# EAGLE board Mk4 Final Panel (EAGLE 9.0.1), part 6 of 18
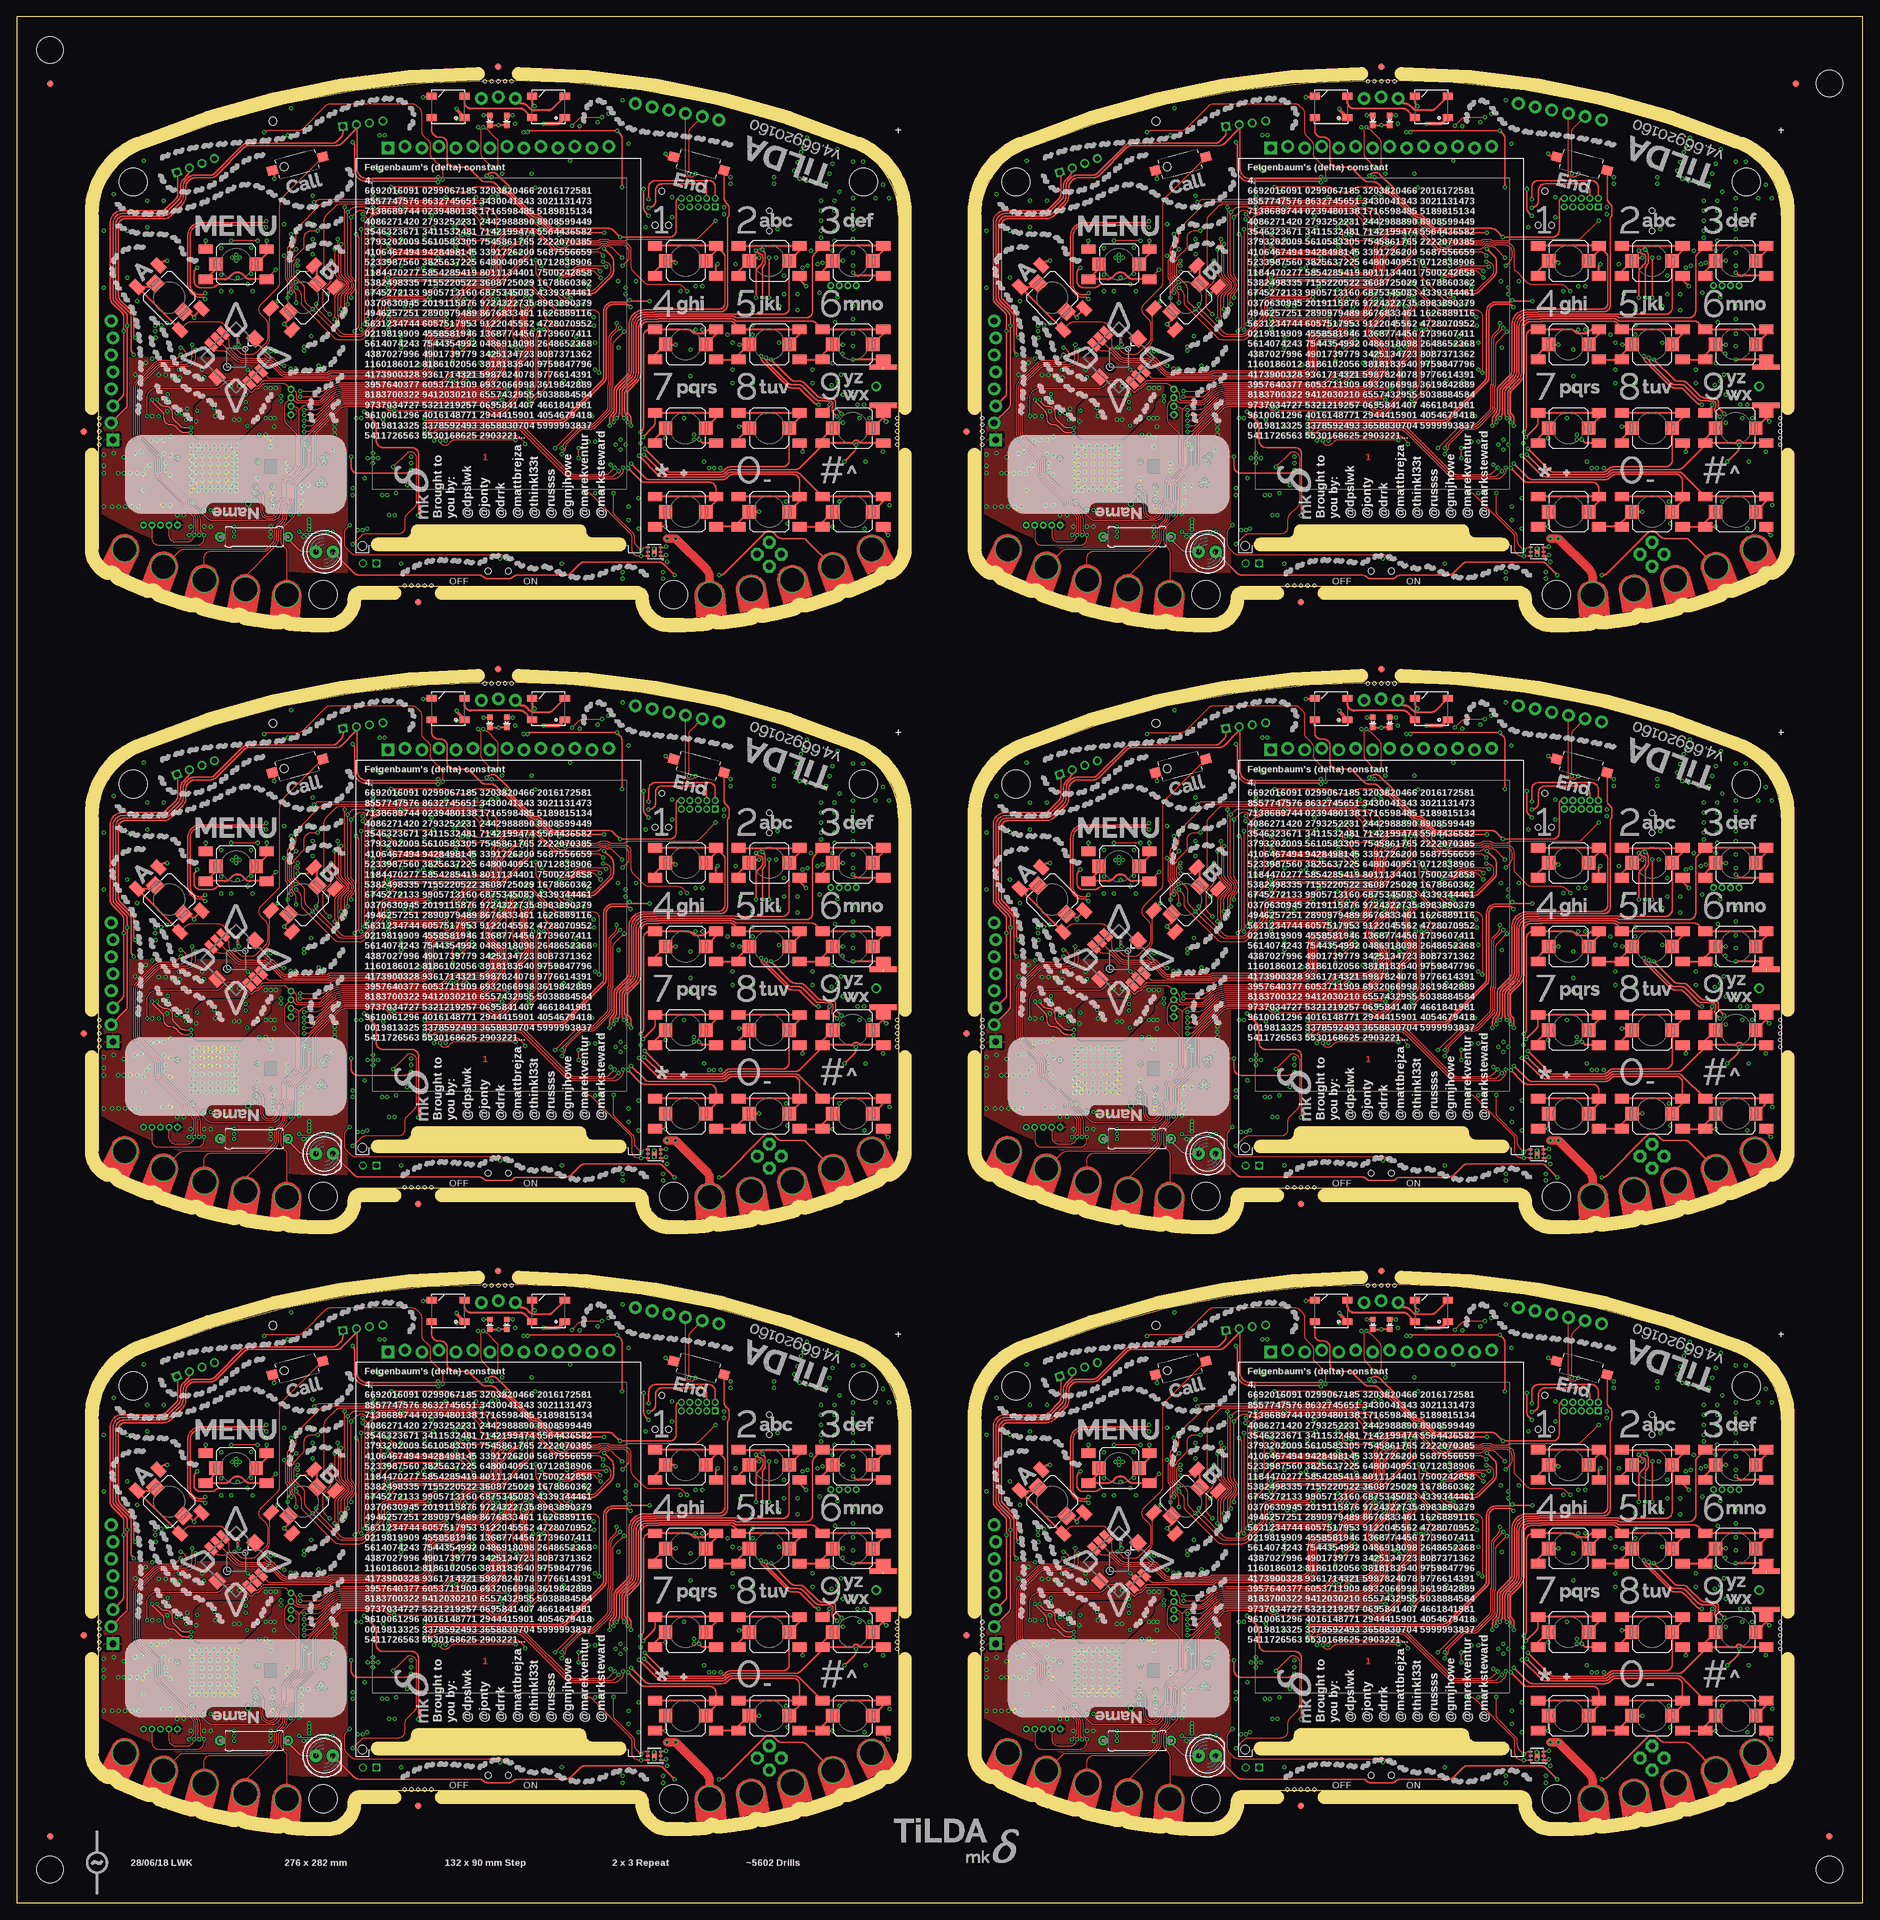
[diagram p0: board, top side]
## Tracks (layer width: path | path; a pad name or v marks a point on that pad's centre or on a via) (continued)
AMP_IN_P5 (continued)
  Bottom 0.2: R447.2 R465.2 165.45,253.5 | J57.3 170.76,261.04 arc45 170.05,260.75 J57.2 168.11,258.8 167.8,258.8 165.74,256.74 arc45 165.45,256.04 165.45,253.5 | R468.2 165.45,253.5
AMP_IN_R1_N
  Bottom 0.15: C106.1 R78.1
AMP_IN_R1_N1
  Bottom 0.15: C214.1 R154.1
AMP_IN_R1_N2
  Bottom 0.15: C322.1 R232.1
AMP_IN_R1_N3
  Bottom 0.15: C430.1 R310.1
AMP_IN_R1_N4
  Bottom 0.15: C538.1 R388.1
AMP_IN_R1_N5
  Bottom 0.15: C646.1 R466.1
AMP_IN_R1_P
  Bottom 0.15: C105.1 R77.1
AMP_IN_R1_P1
  Bottom 0.15: C213.1 R153.1
AMP_IN_R1_P2
  Bottom 0.15: C321.1 R231.1
AMP_IN_R1_P3
  Bottom 0.15: C429.1 R309.1
AMP_IN_R1_P4
  Bottom 0.15: C537.1 R387.1
AMP_IN_R1_P5
  Bottom 0.15: C645.1 R465.1
AMP_IN_R_N
  Bottom 0.2: R58.1 C82.1
AMP_IN_R_N1
  Bottom 0.2: R136.1 C183.1
AMP_IN_R_N2
  Bottom 0.2: R214.1 C291.1
AMP_IN_R_N3
  Bottom 0.2: R292.1 C399.1
AMP_IN_R_N4
  Bottom 0.2: R370.1 C507.1
AMP_IN_R_N5
  Bottom 0.2: R448.1 C615.1
AMP_IN_R_P
  Bottom 0.2: R57.1 C83.1
AMP_IN_R_P1
  Bottom 0.2: R135.1 C184.1
AMP_IN_R_P2
  Bottom 0.2: R213.1 C292.1
AMP_IN_R_P3
  Bottom 0.2: R291.1 C400.1
AMP_IN_R_P4
  Bottom 0.2: R369.1 C508.1
AMP_IN_R_P5
  Bottom 0.2: R447.1 C616.1
AMP_IN_TRS_P
  Bottom 0.2: J9.5 44.71,79.83 arc45 45,80.54 45,81.35 arc90 44,82.35 42.51,82.35 arc45 41.81,82.06 41.54,81.79 arc-45 40.84,81.5 36.08,81.5 J9.6 35.32,81.41 arc45 34.62,81.12 34.29,80.79 arc45 34,80.09 34,78.01 arc-45 33.71,77.31 32.79,76.39 arc45 32.5,75.69 R75.1 32.5,69.66 arc45 32.79,68.96 32.83,68.92 arc-45 33.12,68.21 IC13.3
AMP_IN_TRS_P1
  Bottom 0.2: J17.5 176.71,79.83 arc45 177,80.54 177,81.35 arc90 176,82.35 174.51,82.35 arc45 173.81,82.06 173.54,81.79 arc-45 172.84,81.5 168.08,81.5 J17.6 167.32,81.41 arc45 166.62,81.12 166.29,80.79 arc45 166,80.09 166,78.01 arc-45 165.71,77.31 164.79,76.39 arc45 164.5,75.69 R156.1 164.5,69.66 arc45 164.79,68.96 164.83,68.92 arc-45 165.12,68.21 IC28.3
AMP_IN_TRS_P2
  Bottom 0.2: J27.5 44.71,169.83 arc45 45,170.54 45,171.35 arc90 44,172.35 42.51,172.35 arc45 41.81,172.06 41.54,171.79 arc-45 40.84,171.5 36.08,171.5 J27.6 35.32,171.41 arc45 34.62,171.12 34.29,170.79 arc45 34,170.09 34,168.01 arc-45 33.71,167.31 32.79,166.39 arc45 32.5,165.69 R234.1 32.5,159.66 arc45 32.79,158.96 32.83,158.92 arc-45 33.12,158.21 IC46.3
AMP_IN_TRS_P3
  Bottom 0.2: J37.5 176.71,169.83 arc45 177,170.54 177,171.35 arc90 176,172.35 174.51,172.35 arc45 173.81,172.06 173.54,171.79 arc-45 172.84,171.5 168.08,171.5 J37.6 167.32,171.41 arc45 166.62,171.12 166.29,170.79 arc45 166,170.09 166,168.01 arc-45 165.71,167.31 164.79,166.39 arc45 164.5,165.69 R312.1 164.5,159.66 arc45 164.79,158.96 164.83,158.92 arc-45 165.12,158.21 IC64.3
AMP_IN_TRS_P4
  Bottom 0.2: J47.5 44.71,259.83 arc45 45,260.54 45,261.35 arc90 44,262.35 42.51,262.35 arc45 41.81,262.06 41.54,261.79 arc-45 40.84,261.5 36.08,261.5 J47.6 35.32,261.41 arc45 34.62,261.12 34.29,260.79 arc45 34,260.09 34,258.01 arc-45 33.71,257.31 32.79,256.39 arc45 32.5,255.69 R390.1 32.5,249.66 arc45 32.79,248.96 32.83,248.92 arc-45 33.12,248.21 IC82.3
AMP_IN_TRS_P5
  Bottom 0.2: J57.5 176.71,259.83 arc45 177,260.54 177,261.35 arc90 176,262.35 174.51,262.35 arc45 173.81,262.06 173.54,261.79 arc-45 172.84,261.5 168.08,261.5 J57.6 167.32,261.41 arc45 166.62,261.12 166.29,260.79 arc45 166,260.09 166,258.01 arc-45 165.71,257.31 164.79,256.39 arc45 164.5,255.69 R468.1 164.5,249.66 arc45 164.79,248.96 164.83,248.92 arc-45 165.12,248.21 IC100.3
BQ_!CE
  Bottom 0.15: R17.1 IC8.9
BQ_!CE1
  Bottom 0.15: R99.1 IC24.9
BQ_!CE2
  Bottom 0.15: R177.1 IC42.9
BQ_!CE3
  Bottom 0.15: R255.1 IC60.9
BQ_!CE4
  Bottom 0.15: R333.1 IC78.9
BQ_!CE5
  Bottom 0.15: R411.1 IC96.9
BQ_!INT  (via drill 0.3)
  Top 0.15: v73,59.2 73,58.66 arc-45 72.85,58.31 70.58,56.04 arc90 70.58,53.92 72.08,52.42 arc-45 72.3,51.89 72.3,51.53 arc-45 72.15,51.18 71.95,50.97 arc45 71.8,50.62 71.8,50.33 arc-45 71.29,49.09 70.81,48.61 arc-45 69.58,48.1 67.41,48.1 arc45 66.71,47.81 66.05,47.15 arc-90 65.35,47.15 v64.9,47.6
  Bottom 0.15: v73,59.2 IC1.14 | IC8.7 63.9,37.25 arc90 64.9,38.25 v64.9,47.6
BQ_!INT1  (via drill 0.3)
  Top 0.15: v205,59.2 205,58.66 arc-45 204.85,58.31 202.58,56.04 arc90 202.58,53.92 204.08,52.42 arc-45 204.3,51.89 204.3,51.53 arc-45 204.15,51.18 203.95,50.97 arc45 203.8,50.62 203.8,50.33 arc-45 203.29,49.09 202.81,48.61 arc-45 201.57,48.1 199.41,48.1 arc45 198.71,47.81 198.05,47.15 arc-90 197.35,47.15 v196.9,47.6
  Bottom 0.15: v205,59.2 IC20.14 | IC24.7 195.9,37.25 arc90 196.9,38.25 v196.9,47.6
BQ_!INT2  (via drill 0.3)
  Top 0.15: v73,149.2 73,148.66 arc-45 72.85,148.31 70.58,146.04 arc90 70.58,143.92 72.08,142.42 arc-45 72.3,141.89 72.3,141.53 arc-45 72.15,141.18 71.95,140.97 arc45 71.8,140.62 71.8,140.32 arc-45 71.29,139.09 70.81,138.61 arc-45 69.58,138.1 67.41,138.1 arc45 66.71,137.81 66.05,137.15 arc-90 65.35,137.15 v64.9,137.6
  Bottom 0.15: v73,149.2 IC38.14 | IC42.7 63.9,127.25 arc90 64.9,128.25 v64.9,137.6
BQ_!INT3  (via drill 0.3)
  Top 0.15: v205,149.2 205,148.66 arc-45 204.85,148.31 202.58,146.04 arc90 202.58,143.92 204.08,142.42 arc-45 204.3,141.89 204.3,141.53 arc-45 204.15,141.18 203.95,140.97 arc45 203.8,140.62 203.8,140.32 arc-45 203.29,139.09 202.81,138.61 arc-45 201.57,138.1 199.41,138.1 arc45 198.71,137.81 198.05,137.15 arc-90 197.35,137.15 v196.9,137.6
  Bottom 0.15: v205,149.2 IC56.14 | IC60.7 195.9,127.25 arc90 196.9,128.25 v196.9,137.6
BQ_!INT4  (via drill 0.3)
  Top 0.15: v73,239.2 73,238.66 arc-45 72.85,238.31 70.58,236.04 arc90 70.58,233.92 72.08,232.42 arc-45 72.3,231.89 72.3,231.53 arc-45 72.15,231.18 71.95,230.97 arc45 71.8,230.62 71.8,230.32 arc-45 71.29,229.09 70.81,228.61 arc-45 69.58,228.1 67.41,228.1 arc45 66.71,227.81 66.05,227.15 arc-90 65.35,227.15 v64.9,227.6
  Bottom 0.15: v73,239.2 IC74.14 | IC78.7 63.9,217.25 arc90 64.9,218.25 v64.9,227.6
BQ_!INT5  (via drill 0.3)
  Top 0.15: v205,239.2 205,238.66 arc-45 204.85,238.31 202.58,236.04 arc90 202.58,233.92 204.08,232.42 arc-45 204.3,231.89 204.3,231.53 arc-45 204.15,231.18 203.95,230.97 arc45 203.8,230.62 203.8,230.32 arc-45 203.29,229.09 202.81,228.61 arc-45 201.57,228.1 199.41,228.1 arc45 198.71,227.81 198.05,227.15 arc-90 197.35,227.15 v196.9,227.6
  Bottom 0.15: v205,239.2 IC92.14 | IC96.7 195.9,217.25 arc90 196.9,218.25 v196.9,227.6
BQ_!QON  (via drill 0.3)
  Top 0.15: v56.25,34.7 58.41,36.86 arc-45 58.75,37 arc-90 59.75,36 59.75,29.41 arc-45 59.46,28.71 58.29,27.54 arc45 58,26.84 58,25.65 arc-90 57,24.65 52.16,24.65 arc45 51.46,24.36 v50.25,23.15
  Bottom 0.15: IC8.12 56.2,34.75 v56.25,34.7 | JP3.2 50.54,21.46 arc-45 50.25,22.16 v50.25,23.15
BQ_!QON1  (via drill 0.3)
  Top 0.15: v188.25,34.7 190.41,36.86 arc-45 190.75,37 arc-90 191.75,36 191.75,29.41 arc-45 191.46,28.71 190.29,27.54 arc45 190,26.84 190,25.65 arc-90 189,24.65 184.16,24.65 arc45 183.46,24.36 v182.25,23.15
  Bottom 0.15: IC24.12 188.2,34.75 v188.25,34.7 | JP13.2 182.54,21.46 arc-45 182.25,22.16 v182.25,23.15
BQ_!QON2  (via drill 0.3)
  Top 0.15: v56.25,124.7 58.41,126.86 arc-45 58.75,127 arc-90 59.75,126 59.75,119.41 arc-45 59.46,118.71 58.29,117.54 arc45 58,116.84 58,115.65 arc-90 57,114.65 52.16,114.65 arc45 51.46,114.36 v50.25,113.15
  Bottom 0.15: IC42.12 56.2,124.75 v56.25,124.7 | JP22.2 50.54,111.46 arc-45 50.25,112.16 v50.25,113.15
BQ_!QON3  (via drill 0.3)
  Top 0.15: v188.25,124.7 190.41,126.86 arc-45 190.75,127 arc-90 191.75,126 191.75,119.41 arc-45 191.46,118.71 190.29,117.54 arc45 190,116.84 190,115.65 arc-90 189,114.65 184.16,114.65 arc45 183.46,114.36 v182.25,113.15
  Bottom 0.15: IC60.12 188.2,124.75 v188.25,124.7 | JP31.2 182.54,111.46 arc-45 182.25,112.16 v182.25,113.15
BQ_!QON4  (via drill 0.3)
  Top 0.15: v56.25,214.7 58.41,216.86 arc-45 58.75,217 arc-90 59.75,216 59.75,209.41 arc-45 59.46,208.71 58.29,207.54 arc45 58,206.84 58,205.65 arc-90 57,204.65 52.16,204.65 arc45 51.46,204.36 v50.25,203.15
  Bottom 0.15: IC78.12 56.2,214.75 v56.25,214.7 | JP40.2 50.54,201.46 arc-45 50.25,202.16 v50.25,203.15
BQ_!QON5  (via drill 0.3)
  Top 0.15: v188.25,214.7 190.41,216.86 arc-45 190.75,217 arc-90 191.75,216 191.75,209.41 arc-45 191.46,208.71 190.29,207.54 arc45 190,206.84 190,205.65 arc-90 189,204.65 184.16,204.65 arc45 183.46,204.36 v182.25,203.15
  Bottom 0.15: IC96.12 188.2,214.75 v188.25,214.7 | JP49.2 182.54,201.46 arc-45 182.25,202.16 v182.25,203.15
BQ_PMID
  Bottom 0.3: IC8.23 50.42,36.75
  Bottom 0.4: C36.1 49.3,37.04 49.92,37.04 arc-45 50.27,36.9 50.42,36.75
BQ_PMID1
  Bottom 0.3: IC24.23 182.42,36.75
  Bottom 0.4: C148.1 181.31,37.04 181.92,37.04 arc-45 182.27,36.9 182.42,36.75
BQ_PMID2
  Bottom 0.3: IC42.23 50.42,126.75
  Bottom 0.4: C256.1 49.3,127.04 49.92,127.04 arc-45 50.27,126.9 50.42,126.75
BQ_PMID3
  Bottom 0.3: IC60.23 182.42,126.75
  Bottom 0.4: C364.1 181.31,127.04 181.92,127.04 arc-45 182.27,126.9 182.42,126.75
BQ_PMID4
  Bottom 0.3: IC78.23 50.42,216.75
  Bottom 0.4: C472.1 49.3,217.04 49.92,217.04 arc-45 50.27,216.9 50.42,216.75
BQ_PMID5
  Bottom 0.3: IC96.23 182.42,216.75
  Bottom 0.4: C580.1 181.31,217.04 181.92,217.04 arc-45 182.27,216.9 182.42,216.75
BQ_PSEL
  Bottom 0.15: IC8.2 52.5,41.25 R19.1 R18.1
BQ_PSEL1
  Bottom 0.15: IC24.2 184.5,41.25 R101.1 R100.1
BQ_PSEL2
  Bottom 0.15: IC42.2 52.5,131.25 R179.1 R178.1
BQ_PSEL3
  Bottom 0.15: IC60.2 184.5,131.25 R257.1 R256.1
BQ_PSEL4
  Bottom 0.15: IC78.2 52.5,221.25 R335.1 R334.1
BQ_PSEL5
  Bottom 0.15: IC96.2 184.5,221.25 R413.1 R412.1
BQ_REGN  (via drill 0.3)
  Top 0.2: v50,36.25 50,34.75 arc90 51,33.75 58.09,33.75 arc45 58.79,34.04 v59,34.25
  Bottom 0.25: IC8.22 v50,36.25
  Bottom 0.3: R16.2 v59,34.25
  Bottom 0.4: C39.2 v50,36.25
BQ_REGN1  (via drill 0.3)
  Top 0.2: v182,36.25 182,34.75 arc90 183,33.75 190.09,33.75 arc45 190.79,34.04 v191,34.25
  Bottom 0.25: IC24.22 v182,36.25
  Bottom 0.3: R98.2 v191,34.25
  Bottom 0.4: C149.2 v182,36.25
BQ_REGN2  (via drill 0.3)
  Top 0.2: v50,126.25 50,124.75 arc90 51,123.75 58.09,123.75 arc45 58.79,124.04 v59,124.25
  Bottom 0.25: IC42.22 v50,126.25
  Bottom 0.3: R176.2 v59,124.25
  Bottom 0.4: C257.2 v50,126.25
BQ_REGN3  (via drill 0.3)
  Top 0.2: v182,126.25 182,124.75 arc90 183,123.75 190.09,123.75 arc45 190.79,124.04 v191,124.25
  Bottom 0.25: IC60.22 v182,126.25
  Bottom 0.3: R254.2 v191,124.25
  Bottom 0.4: C365.2 v182,126.25
BQ_REGN4  (via drill 0.3)
  Top 0.2: v50,216.25 50,214.75 arc90 51,213.75 58.09,213.75 arc45 58.79,214.04 v59,214.25
  Bottom 0.25: IC78.22 v50,216.25
  Bottom 0.3: R332.2 v59,214.25
  Bottom 0.4: C473.2 v50,216.25
BQ_REGN5  (via drill 0.3)
  Top 0.2: v182,216.25 182,214.75 arc90 183,213.75 190.09,213.75 arc45 190.79,214.04 v191,214.25
  Bottom 0.25: IC96.22 v182,216.25
  Bottom 0.3: R410.2 v191,214.25
  Bottom 0.4: C581.2 v182,216.25
BQ_STAT
  Bottom 0.15: IC8.4 53.5,39.25 R20.1
BQ_STAT1
  Bottom 0.15: IC24.4 185.5,39.25 R102.1
BQ_STAT2
  Bottom 0.15: IC42.4 53.5,129.25 R180.1
BQ_STAT3
  Bottom 0.15: IC60.4 185.5,129.25 R258.1
BQ_STAT4
  Bottom 0.15: IC78.4 53.5,219.25 R336.1
BQ_STAT5
  Bottom 0.15: IC96.4 185.5,219.25 R414.1
BQ_STAT_R
  Bottom 0.15: LED6.C 54,40.75 R20.2
BQ_STAT_R1
  Bottom 0.15: LED12.C 186,40.75 R102.2
BQ_STAT_R2
  Bottom 0.15: LED18.C 54,130.75 R180.2
BQ_STAT_R3
  Bottom 0.15: LED24.C 186,130.75 R258.2
BQ_STAT_R4
  Bottom 0.15: LED30.C 54,220.75 R336.2
BQ_STAT_R5
  Bottom 0.15: LED36.C 186,220.75 R414.2
BQ_SW
  pour Bottom (no thermals): 51.5,35.3 50.3,35.3 49.85,34.85 arc-45 49.49,34.7 49.01,34.7 arc-45 48.65,34.85 48.5,35 48.5,35.45 48.05,35.45 47.3,34.7 arc45 47.15,34.34 47.15,32.5 49.5,32.5 arc90 50,33 50,33.79 arc-45 50.15,34.15 50.7,34.7 51.5,34.7
BQ_SW1
  pour Bottom (no thermals): 183.5,35.3 182.3,35.3 181.85,34.85 arc-45 181.49,34.7 181.01,34.7 arc-45 180.65,34.85 180.5,35 180.5,35.45 180.05,35.45 179.3,34.7 arc45 179.15,34.34 179.15,32.5 181.5,32.5 arc90 182,33 182,33.79 arc-45 182.15,34.15 182.7,34.7 183.5,34.7
BQ_SW2
  pour Bottom (no thermals): 51.5,125.3 50.3,125.3 49.85,124.85 arc-45 49.49,124.7 49.01,124.7 arc-45 48.65,124.85 48.5,125 48.5,125.45 48.05,125.45 47.3,124.7 arc45 47.15,124.34 47.15,122.5 49.5,122.5 arc90 50,123 50,123.79 arc-45 50.15,124.15 50.7,124.7 51.5,124.7
BQ_SW3
  pour Bottom (no thermals): 183.5,125.3 182.3,125.3 181.85,124.85 arc-45 181.49,124.7 181.01,124.7 arc-45 180.65,124.85 180.5,125 180.5,125.45 180.05,125.45 179.3,124.7 arc45 179.15,124.34 179.15,122.5 181.5,122.5 arc90 182,123 182,123.79 arc-45 182.15,124.15 182.7,124.7 183.5,124.7
BQ_SW4
  pour Bottom (no thermals): 51.5,215.3 50.3,215.3 49.85,214.85 arc-45 49.49,214.7 49.01,214.7 arc-45 48.65,214.85 48.5,215 48.5,215.45 48.05,215.45 47.3,214.7 arc45 47.15,214.34 47.15,212.5 49.5,212.5 arc90 50,213 50,213.79 arc-45 50.15,214.15 50.7,214.7 51.5,214.7
BQ_SW5
  pour Bottom (no thermals): 183.5,215.3 182.3,215.3 181.85,214.85 arc-45 181.49,214.7 181.01,214.7 arc-45 180.65,214.85 180.5,215 180.5,215.45 180.05,215.45 179.3,214.7 arc45 179.15,214.34 179.15,212.5 181.5,212.5 arc90 182,213 182,213.79 arc-45 182.15,214.15 182.7,214.7 183.5,214.7
BQ_TS
  Bottom 0.15: R16.1 R15.2 IC8.11
BQ_TS1
  Bottom 0.15: R98.1 R97.2 IC24.11
BQ_TS2
  Bottom 0.15: R176.1 R175.2 IC42.11
BQ_TS3
  Bottom 0.15: R254.1 R253.2 IC60.11
BQ_TS4
  Bottom 0.15: R332.1 R331.2 IC78.11
BQ_TS5
  Bottom 0.15: R410.1 R409.2 IC96.11
BT_ANT
  Bottom 0.4: IC5.20 115.8,63 arc-90 118.8,66 119.25,66 arc90 121.25,68 121.25,75.5 arc-21 122,76.5 arc-6 C74.2 arc-6 L5.1
BT_ANT1
  Bottom 0.4: IC21.20 247.8,63 arc-90 250.8,66 251.25,66 arc90 253.25,68 253.25,75.5 arc-21 254,76.5 arc-6 C175.2 arc-6 L14.1
BT_ANT2
  Bottom 0.4: IC39.20 115.8,153 arc-90 118.8,156 119.25,156 arc90 121.25,158 121.25,165.5 arc-21 122,166.5 arc-6 C283.2 arc-6 L23.1
BT_ANT3
  Bottom 0.4: IC57.20 247.8,153 arc-90 250.8,156 251.25,156 arc90 253.25,158 253.25,165.5 arc-21 254,166.5 arc-6 C391.2 arc-6 L32.1
BT_ANT4
  Bottom 0.4: IC75.20 115.8,243 arc-90 118.8,246 119.25,246 arc90 121.25,248 121.25,255.5 arc-21 122,256.5 arc-6 C499.2 arc-6 L41.1
BT_ANT5
  Bottom 0.4: IC93.20 247.8,243 arc-90 250.8,246 251.25,246 arc90 253.25,248 253.25,255.5 arc-21 254,256.5 arc-6 C607.2 arc-6 L50.1
BT_ANT_L
  Bottom 0.4: L5.2 arc-10 C75.2 123.28,80.22 arc85 123,80.75 arc15 ANT2.1
BT_ANT_L1
  Bottom 0.4: L14.2 arc-10 C176.2 255.28,80.22 arc85 255,80.75 arc15 ANT4.1
BT_ANT_L2
  Bottom 0.4: L23.2 arc-10 C284.2 123.28,170.22 arc85 123,170.75 arc15 ANT6.1
BT_ANT_L3
  Bottom 0.4: L32.2 arc-10 C392.2 255.28,170.22 arc85 255,170.75 arc15 ANT8.1
BT_ANT_L4
  Bottom 0.4: L41.2 arc-10 C500.2 123.28,260.22 arc85 123,260.75 arc15 ANT10.1
BT_ANT_L5
  Bottom 0.4: L50.2 arc-10 C608.2 255.28,260.22 arc85 255,260.75 arc15 ANT12.1
BTN_1  (via drill 0.3)
  Top 0.2: S1.B2 105.61,66.69 arc-45 105.9,65.99 105.9,59.25 arc-90 104.9,58.25 95.31,58.25 95.23,58.17 93.8,58.17 arc90 91.55,55.92 91.55,49.09 arc-45 91.26,48.38 89.62,46.74 arc45 89.33,46.04 89.33,43.31 arc-45 89.03,42.61 88.94,42.52 arc45 88.65,41.81 v88.65,40.85
  Top 0.3: S1.2 104.55,67.05 S1.B2 S1.B1
  Bottom 0.15: IC4.1 89,40.42 arc45 88.94,40.56 v88.65,40.85
BTN_2  (via drill 0.3)
  Top 0.2: S2.2 115.5,58.5 arc-90 114.5,57.5 107.48,57.5 107.44,57.55 95.6,57.55 95.53,57.48 94,57.48 arc90 92.25,55.73 92.25,49.01 arc-45 91.81,47.95 90.39,46.53 arc45 90.1,45.82 90.1,42.81 arc-45 89.81,42.11 v89.7,42
  Top 0.3: S2.2 117.05,67.05 S2.B2 S2.B1
  Bottom 0.15: IC4.3 90,41.29 arc45 v89.71,41.99 v89.7,42
BTN_3  (via drill 0.3)
  Top 0.2: S3.B1 119.29,66.59 arc45 119,65.89 119,58 arc-90 118,57 107.57,57 arc-45 107.43,57.06 107.35,57.14 arc45 107.21,57.2 95.75,57.2 95.67,57.12 94.1,57.12 arc90 92.6,55.62 92.6,48.97 arc-45 92.09,47.73 90.79,46.43 arc45 90.5,45.73 90.5,42.71 arc45 v90.79,42.01 v90.8,42
  Top 0.3: S3.2 129.55,67.05 S3.B2 S3.B1
  Bottom 0.15: IC4.4 90.5,41.29 arc-45 v90.79,41.99 v90.8,42
BTN_4  (via drill 0.3)
  Top 0.2: S4.B1 94.7,55.25 arc90 93.7,54.25 93.7,43.2 93.7,43 93.7,40.71 arc-45 93.41,40.01 v93.3,39.9
  Top 0.3: S4.2 104.55,54.55 S4.B2 103.76,55.25 arc45 103.06,54.96 102.89,54.8 arc-45 102.54,54.65 101.46,54.65 arc-45 101.11,54.8 100.94,54.96 arc45 100.24,55.25 S4.B1
  Bottom 0.15: IC4.7 92.65,39.25 v93.3,39.9
BTN_5  (via drill 0.3)
  Top 0.2: S5.B1 107.95,55.55 107.29,56.21 arc45 106.59,56.5 96.03,56.5 95.96,56.42 94.35,56.42 arc90 93.35,55.42 93.35,48.93 arc-45 92.69,47.34 91.59,46.24 arc45 91.3,45.54 91.3,43.19 arc45 91.59,42.48 arc-45 91.85,41.86 v91.85,40.85
  Top 0.3: S5.2 117.05,54.55 S5.B2 S5.B1
  Bottom 0.15: IC4.6 91.5,40.29 arc-45 91.65,40.65 v91.85,40.85
BTN_6  (via drill 0.3)
  Top 0.2: S6.B1 119.49,56.21 arc45 118.79,56.5 107.58,56.5 arc-45 107.44,56.56 arc45 106.73,56.85 95.89,56.85 95.81,56.77 94.25,56.77 arc90 93,55.52 93,48.97 arc-45 92.41,47.56 91.19,46.34 arc45 90.9,45.63 90.9,43.09 arc45 91.19,42.39 arc-45 91.35,42.01 91.35,41.77 91.3,41.72 v91.3,41.4
  Top 0.3: S6.2 129.55,54.55 S6.B2 S6.B1
  Bottom 0.15: IC4.5 91,40.69 arc-45 v91.29,41.39 v91.3,41.4
BTN_7  (via drill 0.3)
  Top 0.2: v93.63,39.17 95.16,40.7 arc45 95.45,41.4 S7.B1
  Top 0.3: S7.2 104.55,42.05 S7.B2 S7.B1
  Bottom 0.15: IC4.8 92.97,38.75 93.02,38.8 arc45 93.43,38.97 v93.63,39.17
BTN_8  (via drill 0.3)
  Top 0.2: S8.2 115.5,35.7 arc-90 114.5,34.7 106.71,34.7 arc45 106.01,34.41 105.79,34.19 arc-45 105.09,33.9 99.7,33.9 97.81,33.9 arc-45 97.11,34.19 v93.9,37.4
  Top 0.3: S8.2 117.05,42.05 S8.B2 S8.B1
  Bottom 0.15: IC4.10 93.01,37.75 93.03,37.73 93.16,37.73 arc-45 93.87,37.43 v93.9,37.4
BTN_9  (via drill 0.3)
  Top 0.2: v93.8,36.5 96.46,33.84 arc45 97.16,33.55 105.23,33.55 arc45 105.94,33.84 106.1,34.01 arc-45 106.81,34.3 116.39,34.3 arc45 117.09,34.59 120.45,37.95 S9.B2
  Top 0.3: S9.2 120.45,38.95 S9.B2 124.9,38.25 125.25,38.6 125.75,38.6 126.1,38.25 S9.B1
  Bottom 0.15: IC4.11 92.64,37.25 arc-45 93.34,36.96 v93.8,36.5
BTN_10  (via drill 0.3)
  Top 0.2: S10.B2 104.55,31.4 arc90 103.55,32.4 93.91,32.4 arc-45 93.21,32.69 v91.4,34.5
  Top 0.3: S10.2 104.55,29.55 S10.B2 S10.B1
  Bottom 0.15: IC4.14 91,35.31 arc45 91.15,34.95 91.26,34.84 arc-45 v91.4,34.5
BTN_11  (via drill 0.3)
  Top 0.2: S11.B2 117.05,32.6 arc90 116.05,33.6 107.11,33.6 arc45 106.41,33.31 106.19,33.09 arc-45 105.49,32.8 94.61,32.8 arc-45 93.91,33.09 v91.85,35.15
  Top 0.3: S11.2 117.05,29.55 S11.B2 S11.B1 | S11.B1 107.75,30.25 107.5,30 107.7,30 S11.B1
  Bottom 0.15: IC4.13 91.5,35.5 v91.85,35.15
BTN_12  (via drill 0.3)
  Top 0.2: S12.B1 117.04,33.66 arc45 116.34,33.95 106.95,33.95 arc45 106.25,33.66 106.08,33.49 arc-45 105.38,33.2 96.61,33.2 arc-45 95.91,33.49 v93.05,36.35
  Top 0.3: S12.2 129.26,29.26 arc45 129.55,29.96 S12.B2 S12.B1
  Bottom 0.15: IC4.12 92.65,36.75 v93.05,36.35
BTN_13  (via drill 0.3)
  Top 0.2: S21.B2 237.61,66.69 arc-45 237.9,65.99 237.9,59.25 arc-90 236.9,58.25 227.31,58.25 227.24,58.17 225.8,58.17 arc90 223.55,55.92 223.55,49.09 arc-45 223.26,48.38 221.62,46.74 arc45 221.32,46.04 221.32,43.31 arc-45 221.03,42.61 220.94,42.52 arc45 220.65,41.81 v220.65,40.85
  Top 0.3: S21.2 236.55,67.05 S21.B2 S21.B1
  Bottom 0.15: IC31.1 221,40.42 arc45 220.94,40.56 v220.65,40.85
BTN_14  (via drill 0.3)
  Top 0.2: S26.2 247.5,58.5 arc-90 246.5,57.5 239.49,57.5 239.44,57.55 227.6,57.55 227.53,57.48 226,57.48 arc90 224.25,55.73 224.25,49.01 arc-45 223.81,47.95 222.39,46.53 arc45 222.1,45.82 222.1,42.81 arc-45 221.81,42.11 v221.7,42
  Top 0.3: S26.2 249.05,67.05 S26.B2 S26.B1
  Bottom 0.15: IC31.3 222,41.29 arc45 v221.71,41.99 v221.7,42
BTN_15  (via drill 0.3)
  Top 0.2: S30.B1 251.29,66.59 arc45 251,65.89 251,58 arc-90 250,57 239.57,57 arc-45 239.43,57.06 239.35,57.14 arc45 239.21,57.2 227.75,57.2 227.67,57.12 226.1,57.12 arc90 224.6,55.62 224.6,48.97 arc-45 224.09,47.73 222.79,46.43 arc45 222.5,45.73 222.5,42.71 arc45 v222.79,42.01 v222.8,42
  Top 0.3: S30.2 261.55,67.05 S30.B2 S30.B1
  Bottom 0.15: IC31.4 222.5,41.29 arc-45 v222.79,41.99 v222.8,42
BTN_16  (via drill 0.3)
  Top 0.2: S25.B2 236.55,31.4 arc90 235.55,32.4 225.91,32.4 arc-45 225.21,32.69 v223.4,34.5
  Top 0.3: S25.2 236.55,29.55 S25.B2 S25.B1
  Bottom 0.15: IC31.14 223,35.31 arc45 223.15,34.95 223.26,34.84 arc-45 v223.4,34.5
BTN_17  (via drill 0.3)
  Top 0.2: S27.B1 239.95,55.55 239.29,56.21 arc45 238.59,56.5 228.03,56.5 227.96,56.42 226.35,56.42 arc90 225.35,55.42 225.35,48.93 arc-45 224.69,47.34 223.59,46.24 arc45 223.3,45.54 223.3,43.19 arc45 223.59,42.48 arc-45 223.85,41.86 v223.85,40.85
  Top 0.3: S27.2 249.05,54.55 S27.B2 S27.B1
  Bottom 0.15: IC31.6 223.5,40.29 arc-45 223.65,40.65 v223.85,40.85
BTN_18  (via drill 0.3)
  Top 0.2: S28.2 247.5,35.7 arc-90 246.5,34.7 238.71,34.7 arc45 238.01,34.41 237.79,34.19 arc-45 237.09,33.9 231.7,33.9 229.81,33.9 arc-45 229.11,34.19 v225.9,37.4
  Top 0.3: S28.2 249.05,42.05 S28.B2 S28.B1
  Bottom 0.15: IC31.10 225.01,37.75 225.03,37.73 225.16,37.73 arc-45 225.87,37.43 v225.9,37.4
BTN_19  (via drill 0.3)
  Top 0.2: S29.B2 249.05,32.6 arc90 248.05,33.6 239.11,33.6 arc45 238.41,33.31 238.19,33.09 arc-45 237.49,32.8 226.61,32.8 arc-45 225.91,33.09 v223.85,35.15
  Top 0.3: S29.2 249.05,29.55 S29.B2 S29.B1 | S29.B1 239.75,30.25 239.5,30 239.7,30 S29.B1
  Bottom 0.15: IC31.13 223.5,35.5 v223.85,35.15
BTN_20  (via drill 0.3)
  Top 0.2: S31.B1 251.49,56.21 arc45 250.79,56.5 239.58,56.5 arc-45 239.44,56.56 arc45 238.73,56.85 227.89,56.85 227.81,56.77 226.25,56.77 arc90 225,55.52 225,48.97 arc-45 224.41,47.56 223.19,46.34 arc45 222.9,45.63 222.9,43.09 arc45 223.19,42.39 arc-45 223.35,42.01 223.35,41.77 223.3,41.72 v223.3,41.4
  Top 0.3: S31.2 261.55,54.55 S31.B2 S31.B1
  Bottom 0.15: IC31.5 223,40.69 arc-45 v223.29,41.39 v223.3,41.4
BTN_21  (via drill 0.3)
  Top 0.2: v225.8,36.5 228.46,33.84 arc45 229.16,33.55 237.23,33.55 arc45 237.94,33.84 238.1,34.01 arc-45 238.81,34.3 248.39,34.3 arc45 249.09,34.59 252.45,37.95 S32.B2
  Top 0.3: S32.2 252.45,38.95 S32.B2 256.9,38.25 257.25,38.6 257.75,38.6 258.1,38.25 S32.B1
  Bottom 0.15: IC31.11 224.64,37.25 arc-45 225.34,36.96 v225.8,36.5
BTN_22  (via drill 0.3)
  Top 0.2: S33.B1 249.04,33.66 arc45 248.34,33.95 238.95,33.95 arc45 238.25,33.66 238.08,33.49 arc-45 237.38,33.2 228.61,33.2 arc-45 227.91,33.49 v225.05,36.35
  Top 0.3: S33.2 261.26,29.26 arc45 261.55,29.96 S33.B2 S33.B1
  Bottom 0.15: IC31.12 224.65,36.75 v225.05,36.35
BTN_23  (via drill 0.3)
  Top 0.2: S23.B1 226.7,55.25 arc90 225.7,54.25 225.7,43.2 225.7,43 225.7,40.71 arc-45 225.41,40.01 v225.3,39.9
  Top 0.3: S23.2 236.55,54.55 S23.B2 235.76,55.25 arc45 235.06,54.96 234.9,54.8 arc-45 234.54,54.65 233.46,54.65 arc-45 233.1,54.8 232.94,54.96 arc45 232.24,55.25 S23.B1
  Bottom 0.15: IC31.7 224.65,39.25 v225.3,39.9
BTN_24  (via drill 0.3)
  Top 0.2: v225.63,39.17 227.16,40.7 arc45 227.45,41.4 S24.B1
  Top 0.3: S24.2 236.55,42.05 S24.B2 S24.B1
  Bottom 0.15: IC31.8 224.97,38.75 225.02,38.8 arc45 225.43,38.97 v225.63,39.17
BTN_25  (via drill 0.3)
  Top 0.2: S43.B2 105.61,156.69 arc-45 105.9,155.99 105.9,149.25 arc-90 104.9,148.25 95.31,148.25 95.23,148.18 93.8,148.18 arc90 91.55,145.93 91.55,139.09 arc-45 91.26,138.38 89.62,136.74 arc45 89.33,136.04 89.33,133.31 arc-45 89.03,132.61 88.94,132.52 arc45 88.65,131.81 v88.65,130.85
  Top 0.3: S43.2 104.55,157.05 S43.B2 S43.B1
  Bottom 0.15: IC49.1 89,130.42 arc45 88.94,130.56 v88.65,130.85
BTN_26  (via drill 0.3)
  Top 0.2: S47.2 115.5,148.5 arc-90 114.5,147.5 107.48,147.5 107.44,147.55 95.6,147.55 95.53,147.47 94,147.47 arc90 92.25,145.72 92.25,139.01 arc-45 91.81,137.95 90.39,136.53 arc45 90.1,135.82 90.1,132.81 arc-45 89.81,132.11 v89.7,132
  Top 0.3: S47.2 117.05,157.05 S47.B2 S47.B1
  Bottom 0.15: IC49.3 90,131.29 arc45 v89.71,131.99 v89.7,132
BTN_27  (via drill 0.3)
  Top 0.2: S51.B1 119.29,156.59 arc45 119,155.89 119,148 arc-90 118,147 107.57,147 arc-45 107.43,147.06 107.35,147.14 arc45 107.21,147.2 95.75,147.2 95.67,147.12 94.1,147.12 arc90 92.6,145.62 92.6,138.97 arc-45 92.09,137.73 90.79,136.43 arc45 90.5,135.73 90.5,132.71 arc45 v90.79,132.01 v90.8,132
  Top 0.3: S51.2 129.55,157.05 S51.B2 S51.B1
  Bottom 0.15: IC49.4 90.5,131.29 arc-45 v90.79,131.99 v90.8,132
BTN_28  (via drill 0.3)
  Top 0.2: S46.B2 104.55,121.4 arc90 103.55,122.4 93.91,122.4 arc-45 93.21,122.69 v91.4,124.5
  Top 0.3: S46.2 104.55,119.55 S46.B2 S46.B1
  Bottom 0.15: IC49.14 91,125.31 arc45 91.15,124.95 91.26,124.84 arc-45 v91.4,124.5
BTN_29  (via drill 0.3)
  Top 0.2: S48.B1 107.95,145.55 107.29,146.21 arc45 106.59,146.5 96.03,146.5 95.96,146.43 94.35,146.43 arc90 93.35,145.43 93.35,138.93 arc-45 92.69,137.34 91.59,136.24 arc45 91.3,135.54 91.3,133.19 arc45 91.59,132.48 arc-45 91.85,131.86 v91.85,130.85
  Top 0.3: S48.2 117.05,144.55 S48.B2 S48.B1
  Bottom 0.15: IC49.6 91.5,130.29 arc-45 91.65,130.65 v91.85,130.85
BTN_30  (via drill 0.3)
  Top 0.2: S49.2 115.5,125.7 arc-90 114.5,124.7 106.71,124.7 arc45 106.01,124.41 105.79,124.19 arc-45 105.09,123.9 99.7,123.9 97.81,123.9 arc-45 97.11,124.19 v93.9,127.4